# KiCad board MPPT Li-Ion CN3791 charger board_panel.kicad_pcb (continued)
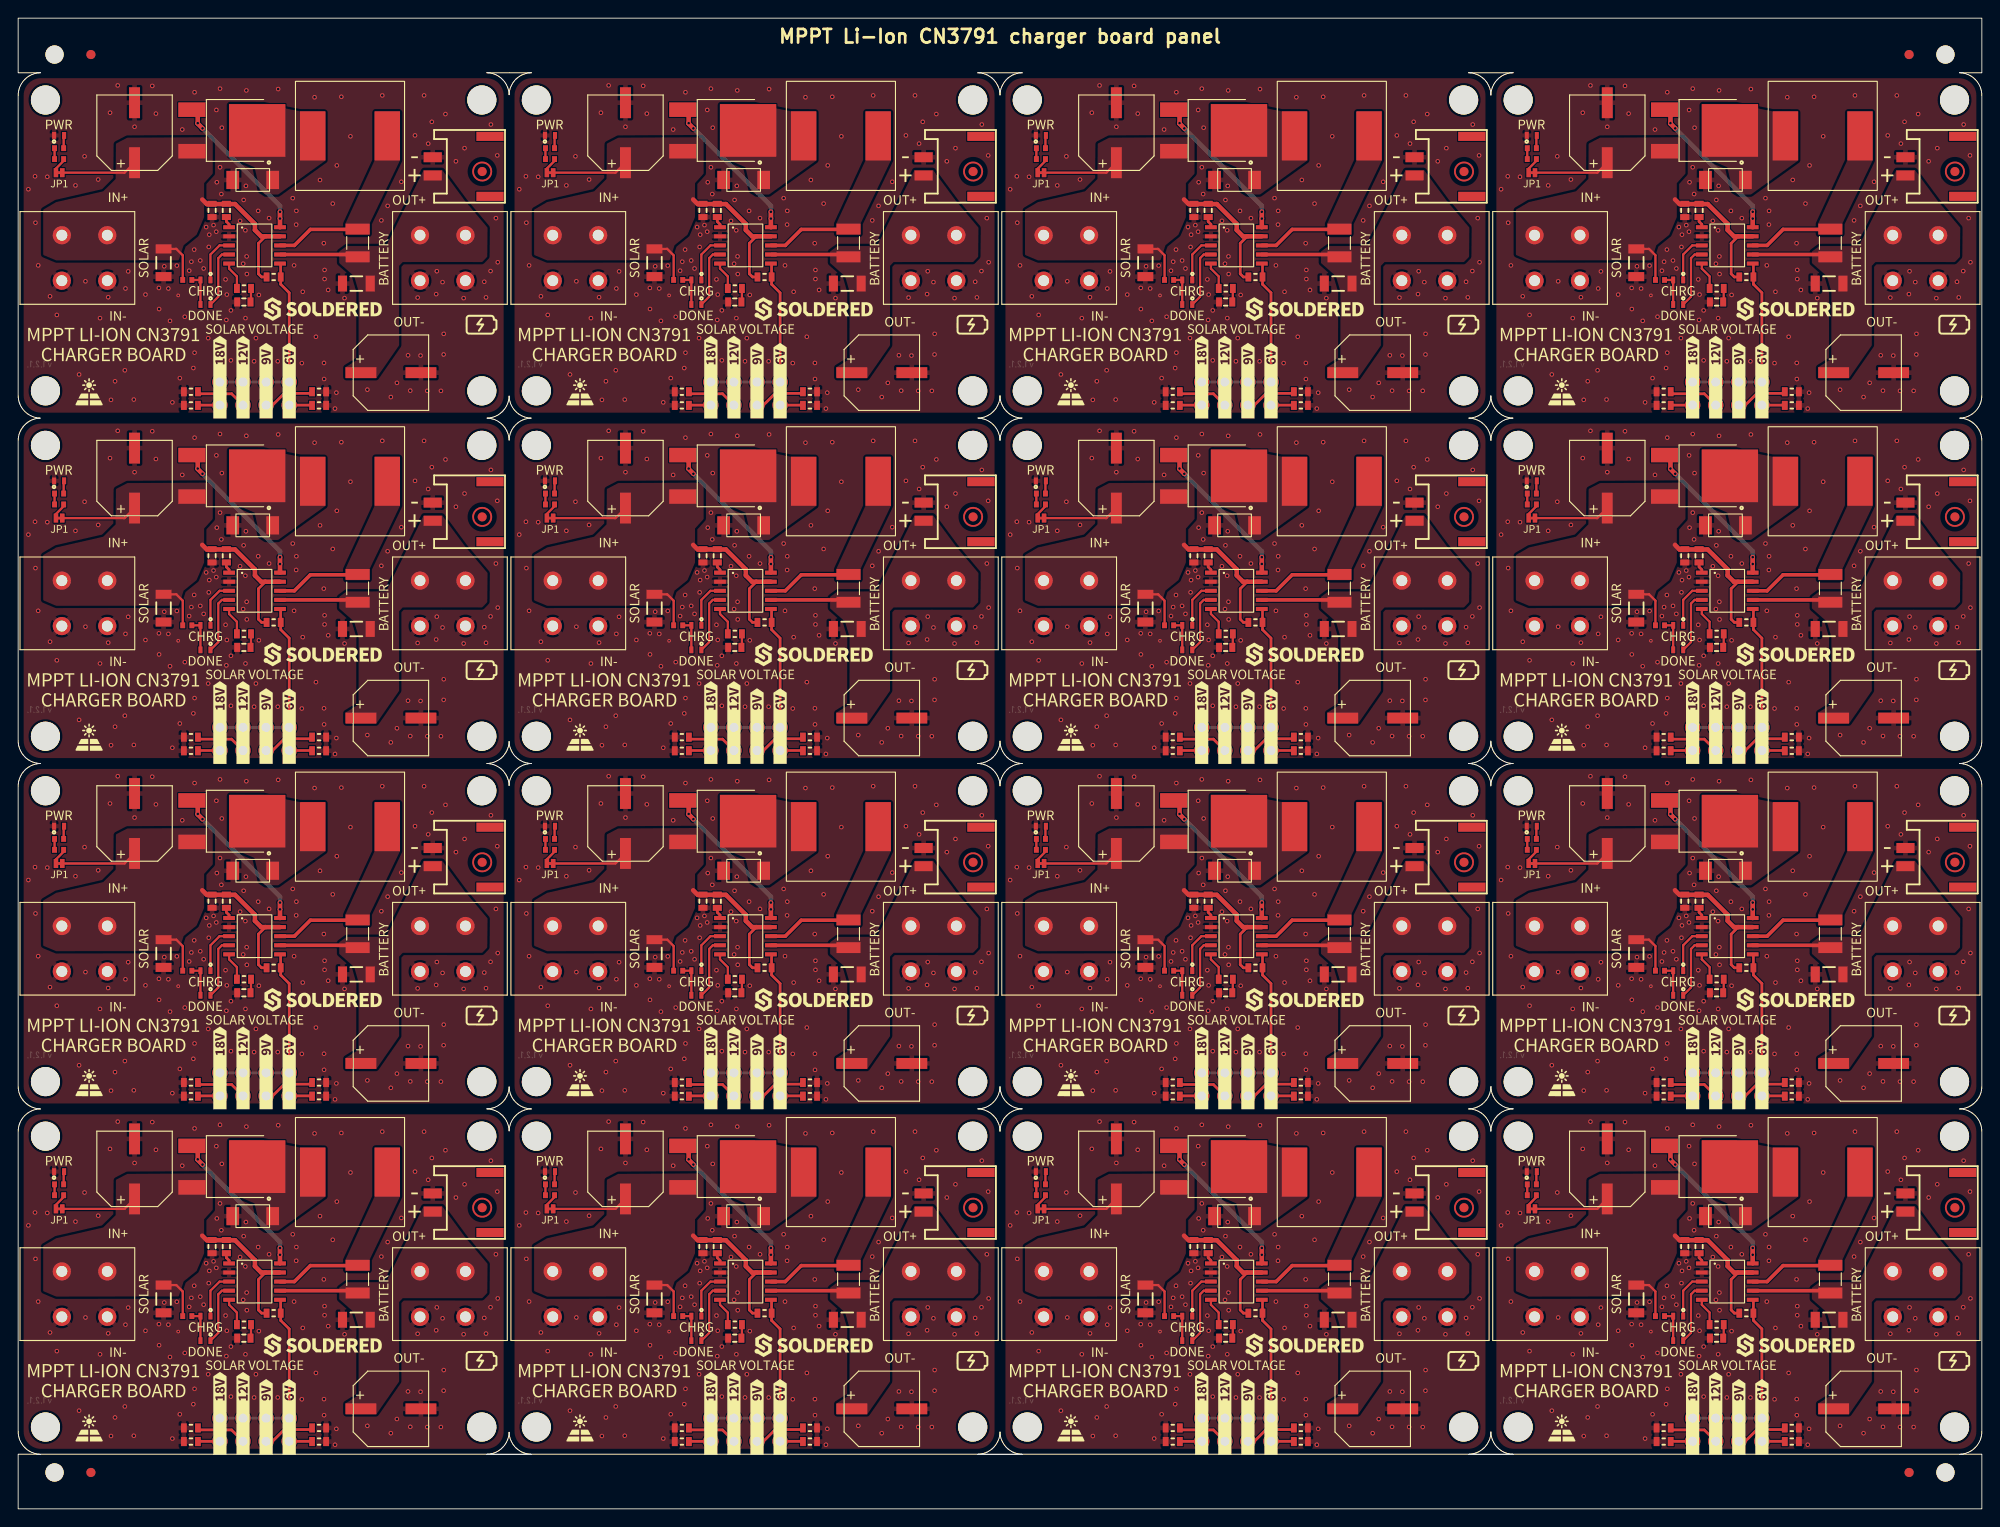
[diagram p0: board, top side]
## Routing (per net, layer and track width the routed paths; a pad name or vN(x,y) marks a point on that pad's centre or on a via; arc(x,y) is an arc through that point) (continued)
Board_1-Net-(C4-Pad1): length 1.2
  Top w0.3: C4#6.1 76.9,141.63 77.2,141.33 U1#8.1
Board_1-Net-(C5-Pad2): length 1.5
  Top w0.25: C5.2 79.61,132.83 R2#16.1
Board_1-Net-(D1-Pad1): length 3.7
  Top w0.254: D1#2.1 D2#5.1 R1#13.1
Board_1-Net-(D1-Pad2): length 7.3
  Top w0.25: D1#2.2 76.01,133.36 76.01,137.6 76.41,138 77.7,138
Board_1-Net-(D2-Pad2): length 5.8
  Top w0.25: D2#5.2 75.15,138 76.15,139 77.7,139
Board_1-Net-(D3-Pad1): length 18.5
  Top w0.5: U1#8.10 v1(82.8,141.95) v1(82.8,142.7) ; v1(74.28,151.88) 73.75,152.4 v1(73.75,152.45) 73.75,153.3 D3#14.1
  Bottom w0.5: v1(82.8,141.95) v1(82.8,142.7) 82.8,143.35 v1(74.28,151.88) 73.75,152.4 v1(73.75,152.45)
Board_1-Net-(D5-Pad1): length 1.4
  Top w0.254: D5#11.1 59,151.05 R9#6.2
Board_1-Net-(JP1-Pad2): length 1.9
  Top w0.254: R10#8.1 59,148.3 58.15,147.45 JP1#4.2
Board_1-Net-(K2-Pad1): length 2.4
  Top w0.3: K2#14.1 73.81,121.43 R3#14.2
Board_1-Net-(K2-Pad2): length 5.6
  Top w0.3: R4#2.2 74,122.68 77.48,122.68 K2#14.2
Board_1-Net-(K2-Pad3): length 5.7
  Top w0.3: R6#2.2 86.15,122.72 83.27,122.72 81.98,121.43 K2#14.3
Board_1-Net-(K2-Pad4): length 26.1
  Top w0.3: K2#14.4 86.3,121.43 R7#15.2 ; K2#14.5 83.81,133.79 82.88,134.73 R5#11.1 82.88,136.93 U1#8.6
  Bottom w0.3: K2#14.8 K2#14.5 K2#14.4
Board_1-Net-(L1-Pad2): length 9.3
  Top w0.3: 91.31,140.76 R8#15.1
  Top w0.4: 91.31,140.76 86.14,140.76 84.38,139 U1#8.8
Board_1-Net-(R2-Pad2): length 3.1
  Top w0.25: R2#16.2 78.06,135.59 77.2,136.45 U1#8.5
Board_1-Net-(R10-Pad2): length 1.2
  Top w0.254: R10#8.2 R9#6.1
Board_1-VCC: length 29.6
  Top w0.254: C1#10.2 71.4,138.62 72.1,137.91 R1#13.2 ; C3#12.1 65.7,147 JP1#4.1
  Top w0.3: R5#11.2 80.78,135.53 80.43,135.88 80.43,139.23 81.2,140
  Top w0.5: 74.25,144.05 74.75,143.55 77.85,143.55 80.04,141.36 80.04,140.69 80.73,140 U1#8.9
Board_2-BAT: length 8.6
  Top w0.4: U1#2.7 145.09,138 R8#2.2
Board_2-GND:
  vias: v1(109.12,145.18) v1(109.85,146.6) v1(109.9,141.5) v1(110.2,136.8) v1(111.2,146.55) v1(111.5,133.4) v1(112.25,131.35) v1(114.3,145.6) v1(114.7,124.8) v1(115.3,148.8) v1(115.4,135.05) v1(116.8,146.25) v1(117,131) v1(117.9,133.3) v1(118.1,153.6) v1(118.21,122.01) v1(118.65,124.05) v1(118.95,156.6) v1(119.73,125.26) v1(119.8,134.26) v1(120.1,136.14) v1(120.72,122.04) v1(120.8,152.05) v1(122,133.59) v1(122.75,156.55) v1(123.15,153.5) v1(123.48,134.32) v1(123.5,132) v1(124.07,136.7) v1(124.52,134.26) v1(124.7,130.7) v1(124.96,121.73) v1(125.45,136.78) v1(125.78,124.4) v1(126.05,151.75) v1(126.33,131.15) v1(126.81,136.22) v1(127.05,137.21) v1(127.27,125.51) v1(127.4,155.85) v1(127.36,138.54) v1(127.4,127.2) v1(128.03,137.34) v1(128.4,136.46) v1(128.68,141.02) v1(128.9,128.8) v1(129.02,140.18) v1(128.96,138.83) v1(129.49,141.23) v1(129.8,153.9) v1(129.79,140.51) v1(129.85,145.95) v1(130.2,156.25) v1(130.2,147.6) v1(130.4,151.95) v1(130.35,144.65) v1(130.81,135.26) v1(130.9,130.8) v1(130.95,133.59) v1(131.4,131.85) v1(131.4,126.35) v1(132.41,141.7) v1(132.8,144) v1(132.75,136.99) v1(132.99,140.66) v1(133,131) v1(133.1,156.05) v1(133.05,145.55) v1(133.13,137.79) v1(133.15,135.85) v1(133.95,126.25) v1(134.15,128.8) v1(134.4,142.8) v1(134.48,133.55) v1(135.6,142) v1(136.6,156.2) v1(136.55,126.25) v1(138.2,144.2) v1(138.35,136.8) v1(138.6,142.8) v1(138.58,141.29) v1(139.2,126.05) v1(139.3,133.9) v1(140.6,155.3) v1(140.75,128.95) v1(141.2,146.2) v1(141.62,139.24) v1(141.64,126.07) v1(141.7,136.3) v1(141.7,135.3) v1(141.65,124.3) v1(142.1,134.1) v1(142.6,143.6) v1(142.85,121.05) v1(143,122.8) v1(143.05,147.8) v1(143.55,155.35) v1(143.9,133.2) v1(144.55,151) v1(146.41,123.13) v1(147.95,141.75) v1(148.05,155.5) v1(148.64,143.35) v1(148.99,122.32) v1(149.66,123.88) v1(150.15,146) v1(150.88,126.91) v1(151.13,123.02) v1(151.65,151.1) v1(151.94,133.26) v1(152.26,126.88) v1(152.65,155.5) v1(153,123) v1(153.1,150.2) v1(153.5,152.6) v1(153.98,133.64) v1(154.05,136.16) v1(154.5,123) v1(154.68,134.96) v1(154.81,129.27) v1(154.8,127) v1(155,153.45) v1(156.15,148.25) v1(157,133.2) v1(157.1,149.7) v1(159.27,135) v1(159.46,133.28) v1(160,152.3) v1(159.96,136.18) v1(160.55,142) v1(160.7,148.9) v1(160.75,137.15) v2(125.6,133.5)
Board_2-Net-(C4-Pad1): length 1.2
  Top w0.3: C4#4.1 130.9,141.63 131.2,141.33 U1#2.1
Board_2-Net-(C5-Pad2): length 1.5
  Top w0.25: R2#5.1 133.61,132.83 C5#3.2
Board_2-Net-(D1-Pad1): length 3.7
  Top w0.254: R1#11.1 D2#7.1 D1#15.1
Board_2-Net-(D1-Pad2): length 7.3
  Top w0.25: 131.7,138 130.41,138 130.01,137.6 130.01,133.36 D1#15.2
Board_2-Net-(D2-Pad2): length 5.8
  Top w0.25: D2#7.2 129.15,138 130.15,139 131.7,139
Board_2-Net-(D3-Pad1): length 18.5
  Top w0.5: v1(136.8,142.7) v1(136.8,141.95) U1#2.10 ; v1(128.28,151.88) 127.75,152.4 v1(127.75,152.45) 127.75,153.3 D3.1
  Bottom w0.5: v1(136.8,141.95) v1(136.8,142.7) 136.8,143.35 v1(128.28,151.88) 127.75,152.4 v1(127.75,152.45)
Board_2-Net-(D5-Pad1): length 1.4
  Top w0.254: R9#12.2 113,151.05 D5#12.1
Board_2-Net-(JP1-Pad2): length 1.9
  Top w0.254: R10#12.1 113,148.3 112.15,147.45 JP1#11.2
Board_2-Net-(K2-Pad1): length 2.4
  Top w0.3: R3#16.2 127.81,121.43 K2#3.1
Board_2-Net-(K2-Pad2): length 5.6
  Top w0.3: R4#13.2 128,122.68 131.48,122.68 K2#3.2
Board_2-Net-(K2-Pad3): length 5.7
  Top w0.3: R6#7.2 140.15,122.72 137.27,122.72 135.98,121.43 K2#3.3
Board_2-Net-(K2-Pad4): length 26.1
  Top w0.3: K2#3.4 140.3,121.43 R7#4.2 ; K2#3.5 137.81,133.79 136.88,134.73 R5#3.1 136.88,136.93 U1#2.6
  Bottom w0.3: K2#3.8 K2#3.5 K2#3.4
Board_2-Net-(L1-Pad2): length 9.3
  Top w0.3: 145.31,140.76 R8#2.1
  Top w0.4: U1#2.8 138.38,139 140.14,140.76 145.31,140.76
Board_2-Net-(R2-Pad2): length 3.1
  Top w0.25: U1#2.5 131.2,136.45 132.06,135.59 R2#5.2
Board_2-Net-(R10-Pad2): length 1.2
  Top w0.254: R10#12.2 R9#12.1
Board_2-VCC: length 29.6
  Top w0.254: R1#11.2 126.1,137.91 125.4,138.62 C1.2 ; JP1#11.1 119.7,147 C3#14.1
  Top w0.3: R5#3.2 134.78,135.53 134.43,135.88 134.43,139.23 135.2,140
  Top w0.5: U1#2.9 134.73,140 134.04,140.69 134.04,141.36 131.85,143.55 128.75,143.55 128.25,144.05
Board_3-BAT: length 8.6
  Top w0.4: R8#12.2 199.09,138 U1#13.7
Board_3-GND:
  vias: v1(163.12,145.18) v1(163.85,146.6) v1(163.9,141.5) v1(164.2,136.8) v1(165.2,146.55) v1(165.5,133.4) v1(166.25,131.35) v1(168.3,145.6) v1(168.7,124.8) v1(169.3,148.8) v1(169.4,135.05) v1(170.8,146.25) v1(171,131) v1(171.9,133.3) v1(172.1,153.6) v1(172.21,122.01) v1(172.65,124.05) v1(172.95,156.6) v1(173.73,125.26) v1(173.8,134.26) v1(174.1,136.14) v1(174.72,122.04) v1(174.8,152.05) v1(176,133.59) v1(176.75,156.55) v1(177.15,153.5) v1(177.48,134.32) v1(177.5,132) v1(178.07,136.7) v1(178.52,134.26) v1(178.7,130.7) v1(178.96,121.73) v1(179.45,136.78) v1(179.78,124.4) v1(180.05,151.75) v1(180.33,131.15) v1(180.81,136.22) v1(181.05,137.21) v1(181.27,125.51) v1(181.4,155.85) v1(181.36,138.54) v1(181.4,127.2) v1(182.03,137.34) v1(182.4,136.46) v1(182.68,141.02) v1(182.9,128.8) v1(183.02,140.18) v1(182.96,138.83) v1(183.49,141.23) v1(183.8,153.9) v1(183.79,140.51) v1(183.85,145.95) v1(184.2,156.25) v1(184.2,147.6) v1(184.4,151.95) v1(184.35,144.65) v1(184.81,135.26) v1(184.9,130.8) v1(184.95,133.59) v1(185.4,131.85) v1(185.4,126.35) v1(186.41,141.7) v1(186.8,144) v1(186.75,136.99) v1(186.99,140.66) v1(187,131) v1(187.1,156.05) v1(187.05,145.55) v1(187.13,137.79) v1(187.15,135.85) v1(187.95,126.25) v1(188.15,128.8) v1(188.4,142.8) v1(188.48,133.55) v1(189.6,142) v1(190.6,156.2) v1(190.55,126.25) v1(192.2,144.2) v1(192.35,136.8) v1(192.6,142.8) v1(192.58,141.29) v1(193.2,126.05) v1(193.3,133.9) v1(194.6,155.3) v1(194.75,128.95) v1(195.2,146.2) v1(195.62,139.24) v1(195.64,126.07) v1(195.7,136.3) v1(195.7,135.3) v1(195.65,124.3) v1(196.1,134.1) v1(196.6,143.6) v1(196.85,121.05) v1(197,122.8) v1(197.05,147.8) v1(197.55,155.35) v1(197.9,133.2) v1(198.55,151) v1(200.41,123.13) v1(201.95,141.75) v1(202.05,155.5) v1(202.64,143.35) v1(202.99,122.32) v1(203.66,123.88) v1(204.15,146) v1(204.88,126.91) v1(205.13,123.02) v1(205.65,151.1) v1(205.94,133.26) v1(206.26,126.88) v1(206.65,155.5) v1(207,123) v1(207.1,150.2) v1(207.5,152.6) v1(207.98,133.64) v1(208.05,136.16) v1(208.5,123) v1(208.68,134.96) v1(208.81,129.27) v1(208.8,127) v1(209,153.45) v1(210.15,148.25) v1(211,133.2) v1(211.1,149.7) v1(213.27,135) v1(213.46,133.28) v1(214,152.3) v1(213.96,136.18) v1(214.55,142) v1(214.7,148.9) v1(214.75,137.15) v2(179.6,133.5)
Board_3-Net-(C4-Pad1): length 1.2
  Top w0.3: U1#13.1 185.2,141.33 184.9,141.63 C4#7.1
Board_3-Net-(C5-Pad2): length 1.5
  Top w0.25: R2#10.1 187.61,132.83 C5#5.2
Board_3-Net-(D1-Pad1): length 3.6
  Top w0.254: D1#12.1 D2#6.1 R1#14.1
Board_3-Net-(D1-Pad2): length 7.3
  Top w0.25: D1#12.2 184.01,133.36 184.01,137.6 184.41,138 185.7,138
Board_3-Net-(D2-Pad2): length 5.8
  Top w0.25: D2#6.2 183.15,138 184.15,139 185.7,139
Board_3-Net-(D3-Pad1): length 18.5
  Top w0.5: v1(182.28,151.88) 181.75,152.4 v1(181.75,152.45) 181.75,153.3 D3#5.1 ; v1(190.8,142.7) v1(190.8,141.95) U1#13.10
  Bottom w0.5: v1(190.8,141.95) v1(190.8,142.7) 190.8,143.35 v1(182.28,151.88) 181.75,152.4 v1(181.75,152.45)
Board_3-Net-(D5-Pad1): length 1.4
  Top w0.254: D5#15.1 167,151.05 R9#11.2
Board_3-Net-(JP1-Pad2): length 1.9
  Top w0.254: JP1#10.2 166.15,147.45 167,148.3 R10#14.1
Board_3-Net-(K2-Pad1): length 2.4
  Top w0.3: K2#16.1 181.81,121.43 R3#7.2
Board_3-Net-(K2-Pad2): length 5.6
  Top w0.3: K2#16.2 185.48,122.68 182,122.68 R4#14.2
Board_3-Net-(K2-Pad3): length 5.7
  Top w0.3: K2#16.3 189.98,121.43 191.27,122.72 194.15,122.72 R6#15.2
Board_3-Net-(K2-Pad4): length 26.1
  Top w0.3: R7#12.2 194.3,121.43 K2#16.4 ; K2#16.5 191.81,133.79 190.88,134.73 R5#16.1 190.88,136.93 U1#13.6
  Bottom w0.3: K2#16.4 K2#16.5 K2#16.8
Board_3-Net-(L1-Pad2): length 9.3
  Top w0.3: 199.31,140.76 R8#12.1
  Top w0.4: 199.31,140.76 194.14,140.76 192.38,139 U1#13.8
Board_3-Net-(R2-Pad2): length 3.1
  Top w0.25: U1#13.5 185.2,136.45 186.06,135.59 R2#10.2
Board_3-Net-(R10-Pad2): length 1.2
  Top w0.254: R10#14.2 R9#11.1
Board_3-VCC: length 29.6
  Top w0.254: R1#14.2 180.1,137.91 179.4,138.62 C1#11.2 ; JP1#10.1 173.7,147 C3#7.1
  Top w0.3: 189.2,140 188.43,139.23 188.43,135.88 188.78,135.53 R5#16.2
  Top w0.5: 182.25,144.05 182.75,143.55 185.85,143.55 188.04,141.36 188.04,140.69 188.73,140 U1#13.9
Board_4-BAT: length 8.6
  Top w0.4: U1#9.7 37.09,100 R8#3.2
Board_4-GND:
  vias: v1(1.12,107.18) v1(1.85,108.6) v1(1.9,103.5) v1(2.2,98.8) v1(3.2,108.55) v1(3.5,95.4) v1(4.25,93.35) v1(6.3,107.6) v1(6.7,86.8) v1(7.3,110.8) v1(7.4,97.05) v1(8.8,108.25) v1(9,93) v1(9.9,95.3) v1(10.1,115.6) v1(10.21,84.01) v1(10.65,86.05) v1(10.95,118.6) v1(11.73,87.26) v1(11.8,96.26) v1(12.1,98.14) v1(12.72,84.04) v1(12.8,114.05) v1(14,95.59) v1(14.75,118.55) v1(15.15,115.5) v1(15.48,96.32) v1(15.5,94) v1(16.07,98.7) v1(16.52,96.26) v1(16.7,92.7) v1(16.96,83.73) v1(17.45,98.78) v1(17.78,86.4) v1(18.05,113.75) v1(18.33,93.15) v1(18.81,98.22) v1(19.05,99.21) v1(19.27,87.51) v1(19.4,117.85) v1(19.36,100.54) v1(19.4,89.2) v1(20.03,99.34) v1(20.4,98.46) v1(20.68,103.02) v1(20.9,90.8) v1(21.02,102.18) v1(20.96,100.83) v1(21.49,103.23) v1(21.8,115.9) v1(21.85,107.95) v1(21.79,102.51) v1(22.2,118.25) v1(22.2,109.6) v1(22.35,106.65) v1(22.4,113.95) v1(22.81,97.26) v1(22.95,95.59) v1(22.9,92.8) v1(23.4,93.85) v1(23.4,88.35) v1(24.41,103.7) v1(24.75,98.99) v1(24.8,106) v1(25.05,107.55) v1(24.99,102.66) v1(25,93) v1(25.1,118.05) v1(25.13,99.79) v1(25.15,97.85) v1(25.95,88.25) v1(26.15,90.8) v1(26.4,104.8) v1(26.48,95.55) v1(27.6,104) v1(28.55,88.25) v1(28.6,118.2) v1(30.2,106.2) v1(30.35,98.8) v1(30.6,104.8) v1(30.58,103.29) v1(31.2,88.05) v1(31.3,95.9) v1(32.6,117.3) v1(32.75,90.95) v1(33.2,108.2) v1(33.62,101.24) v1(33.64,88.07) v1(33.65,86.3) v1(33.7,98.3) v1(33.7,97.3) v1(34.1,96.1) v1(34.6,105.6) v1(34.85,83.05) v1(35.05,109.8) v1(35,84.8) v1(35.55,117.35) v1(35.9,95.2) v1(36.55,113) v1(38.41,85.13) v1(39.95,103.75) v1(40.05,117.5) v1(40.64,105.35) v1(40.99,84.32) v1(41.66,85.88) v1(42.15,108) v1(42.88,88.91) v1(43.13,85.02) v1(43.65,113.1) v1(43.94,95.26) v1(44.26,88.88) v1(44.65,117.5) v1(45,85) v1(45.1,112.2) v1(45.5,114.6) v1(46.05,98.16) v1(45.98,95.64) v1(46.5,85) v1(46.68,96.96) v1(46.81,91.27) v1(46.8,89) v1(47,115.45) v1(48.15,110.25) v1(49,95.2) v1(49.1,111.7) v1(51.27,97) v1(51.46,95.28) v1(52,114.3) v1(51.96,98.18) v1(52.55,104) v1(52.7,110.9) v1(52.75,99.15) v2(17.6,95.5)
Board_4-Net-(C4-Pad1): length 1.2
  Top w0.3: C4#12.1 22.9,103.63 23.2,103.33 U1#9.1
Board_4-Net-(C5-Pad2): length 1.5
  Top w0.25: R2#4.1 25.61,94.83 C5#16.2
Board_4-Net-(D1-Pad1): length 3.6
  Top w0.254: D1#6.1 D2#15.1 R1#7.1
Board_4-Net-(D1-Pad2): length 7.3
  Top w0.25: 23.7,100 22.41,100 22.01,99.6 22.01,95.36 D1#6.2
Board_4-Net-(D2-Pad2): length 5.8
  Top w0.25: D2#15.2 21.15,100 22.15,101 23.7,101
Board_4-Net-(D3-Pad1): length 18.5
  Top w0.5: v1(28.8,104.7) v1(28.8,103.95) U1#9.10 ; D3#4.1 19.75,115.3 v1(19.75,114.45) 19.75,114.4 v1(20.28,113.88)
  Bottom w0.5: v1(19.75,114.45) 19.75,114.4 v1(20.28,113.88) 28.8,105.35 v1(28.8,104.7) v1(28.8,103.95)
Board_4-Net-(D5-Pad1): length 1.4
  Top w0.254: R9#4.2 5,113.05 D5.1
Board_4-Net-(JP1-Pad2): length 1.9
  Top w0.254: JP1#16.2 4.15,109.45 5,110.3 R10#3.1
Board_4-Net-(K2-Pad1): length 2.4
  Top w0.3: K2#12.1 19.81,83.43 R3#15.2
Board_4-Net-(K2-Pad2): length 5.6
  Top w0.3: R4#10.2 20,84.68 23.48,84.68 K2#12.2
Board_4-Net-(K2-Pad3): length 5.7
  Top w0.3: R6#8.2 32.15,84.72 29.27,84.72 27.98,83.43 K2#12.3
Board_4-Net-(K2-Pad4): length 26.1
  Top w0.3: K2#12.4 32.3,83.43 R7#9.2 ; K2#12.5 29.81,95.79 28.88,96.73 R5#13.1 28.88,98.93 U1#9.6
  Bottom w0.3: K2#12.4 K2#12.5 K2#12.8
Board_4-Net-(L1-Pad2): length 9.3
  Top w0.3: 37.31,102.76 R8#3.1
  Top w0.4: 37.31,102.76 32.14,102.76 30.38,101 U1#9.8
Board_4-Net-(R2-Pad2): length 3.1
  Top w0.25: R2#4.2 24.06,97.59 23.2,98.45 U1#9.5
Board_4-Net-(R10-Pad2): length 1.2
  Top w0.254: R10#3.2 R9#4.1
Board_4-VCC: length 29.6
  Top w0.254: C1#13.2 17.4,100.62 18.1,99.91 R1#7.2 ; C3#8.1 11.7,109 JP1#16.1
  Top w0.3: 27.2,102 26.43,101.23 26.43,97.88 26.78,97.53 R5#13.2
  Top w0.5: U1#9.9 26.73,102 26.04,102.69 26.04,103.36 23.85,105.55 20.75,105.55 20.25,106.05
Board_5-BAT: length 8.6
  Top w0.4: R8#8.2 91.09,100 U1#4.7
Board_5-GND:
  vias: v1(55.12,107.18) v1(55.85,108.6) v1(55.9,103.5) v1(56.2,98.8) v1(57.2,108.55) v1(57.5,95.4) v1(58.25,93.35) v1(60.3,107.6) v1(60.7,86.8) v1(61.3,110.8) v1(61.4,97.05) v1(62.8,108.25) v1(63,93) v1(63.9,95.3) v1(64.1,115.6) v1(64.21,84.01) v1(64.65,86.05) v1(64.95,118.6) v1(65.73,87.26) v1(65.8,96.26) v1(66.1,98.14) v1(66.72,84.04) v1(66.8,114.05) v1(68,95.59) v1(68.75,118.55) v1(69.15,115.5) v1(69.48,96.32) v1(69.5,94) v1(70.07,98.7) v1(70.52,96.26) v1(70.7,92.7) v1(70.96,83.73) v1(71.45,98.78) v1(71.78,86.4) v1(72.05,113.75) v1(72.33,93.15) v1(72.81,98.22) v1(73.05,99.21) v1(73.27,87.51) v1(73.4,117.85) v1(73.36,100.54) v1(73.4,89.2) v1(74.03,99.34) v1(74.4,98.46) v1(74.68,103.02) v1(74.9,90.8) v1(75.02,102.18) v1(74.96,100.83) v1(75.49,103.23) v1(75.8,115.9) v1(75.79,102.51) v1(75.85,107.95) v1(76.2,118.25) v1(76.2,109.6) v1(76.4,113.95) v1(76.35,106.65) v1(76.81,97.26) v1(76.9,92.8) v1(76.95,95.59) v1(77.4,93.85) v1(77.4,88.35) v1(78.41,103.7) v1(78.8,106) v1(78.75,98.99) v1(78.99,102.66) v1(79,93) v1(79.1,118.05) v1(79.05,107.55) v1(79.13,99.79) v1(79.15,97.85) v1(79.95,88.25) v1(80.15,90.8) v1(80.4,104.8) v1(80.48,95.55) v1(81.6,104) v1(82.6,118.2) v1(82.55,88.25) v1(84.2,106.2) v1(84.35,98.8) v1(84.6,104.8) v1(84.58,103.29) v1(85.2,88.05) v1(85.3,95.9) v1(86.6,117.3) v1(86.75,90.95) v1(87.2,108.2) v1(87.62,101.24) v1(87.64,88.07) v1(87.7,98.3) v1(87.7,97.3) v1(87.65,86.3) v1(88.1,96.1) v1(88.6,105.6) v1(88.85,83.05) v1(89,84.8) v1(89.05,109.8) v1(89.55,117.35) v1(89.9,95.2) v1(90.55,113) v1(92.41,85.13) v1(93.95,103.75) v1(94.05,117.5) v1(94.64,105.35) v1(94.99,84.32) v1(95.66,85.88) v1(96.15,108) v1(96.88,88.91) v1(97.13,85.02) v1(97.65,113.1) v1(97.94,95.26) v1(98.26,88.88) v1(98.65,117.5) v1(99,85) v1(99.1,112.2) v1(99.5,114.6) v1(99.98,95.64) v1(100.05,98.16) v1(100.5,85) v1(100.68,96.96) v1(100.81,91.27) v1(100.8,89) v1(101,115.45) v1(102.15,110.25) v1(103,95.2) v1(103.1,111.7) v1(105.27,97) v1(105.46,95.28) v1(106,114.3) v1(105.96,98.18) v1(106.55,104) v1(106.7,110.9) v1(106.75,99.15) v2(71.6,95.5)
Board_5-Net-(C4-Pad1): length 1.2
  Top w0.3: C4#9.1 76.9,103.63 77.2,103.33 U1#4.1
Board_5-Net-(C5-Pad2): length 1.5
  Top w0.25: C5#15.2 79.61,94.83 R2#7.1
Board_5-Net-(D1-Pad1): length 3.7
  Top w0.254: D1#4.1 D2#13.1 R1#4.1
Board_5-Net-(D1-Pad2): length 7.3
  Top w0.25: 77.7,100 76.41,100 76.01,99.6 76.01,95.36 D1#4.2
Board_5-Net-(D2-Pad2): length 5.8
  Top w0.25: D2#13.2 75.15,100 76.15,101 77.7,101
Board_5-Net-(D3-Pad1): length 18.5
  Top w0.5: v1(74.28,113.88) 73.75,114.4 v1(73.75,114.45) 73.75,115.3 D3#15.1 ; v1(82.8,104.7) v1(82.8,103.95) U1#4.10
  Bottom w0.5: v1(73.75,114.45) 73.75,114.4 v1(74.28,113.88) 82.8,105.35 v1(82.8,104.7) v1(82.8,103.95)
Board_5-Net-(D5-Pad1): length 1.4
  Top w0.254: R9#16.2 59,113.05 D5#10.1
Board_5-Net-(JP1-Pad2): length 1.9
  Top w0.254: JP1#14.2 58.15,109.45 59,110.3 R10#6.1
Board_5-Net-(K2-Pad1): length 2.4
  Top w0.3: K2#7.1 73.81,83.43 R3#4.2
Board_5-Net-(K2-Pad2): length 5.6
  Top w0.3: K2#7.2 77.48,84.68 74,84.68 R4#7.2
Board_5-Net-(K2-Pad3): length 5.7
  Top w0.3: R6#13.2 86.15,84.72 83.27,84.72 81.98,83.43 K2#7.3
Board_5-Net-(K2-Pad4): length 26.1
  Top w0.3: K2#7.5 83.81,95.79 82.88,96.73 R5#15.1 82.88,98.93 U1#4.6 ; R7#3.2 86.3,83.43 K2#7.4
  Bottom w0.3: K2#7.8 K2#7.5 K2#7.4
Board_5-Net-(L1-Pad2): length 9.3
  Top w0.3: 91.31,102.76 R8#8.1
  Top w0.4: 91.31,102.76 86.14,102.76 84.38,101 U1#4.8
Board_5-Net-(R2-Pad2): length 3.1
  Top w0.25: U1#4.5 77.2,98.45 78.06,97.59 R2#7.2
Board_5-Net-(R10-Pad2): length 1.2
  Top w0.254: R10#6.2 R9#16.1
Board_5-VCC: length 29.6
  Top w0.254: C1#16.2 71.4,100.62 72.1,99.91 R1#4.2 ; C3#13.1 65.7,109 JP1#14.1
  Top w0.3: 81.2,102 80.43,101.23 80.43,97.88 80.78,97.53 R5#15.2
  Top w0.5: 74.25,106.05 74.75,105.55 77.85,105.55 80.04,103.36 80.04,102.69 80.73,102 U1#4.9
Board_6-BAT: length 8.6
  Top w0.4: U1.7 145.09,100 R8#4.2
Board_6-GND:
  vias: v1(109.12,107.18) v1(109.85,108.6) v1(109.9,103.5) v1(110.2,98.8) v1(111.2,108.55) v1(111.5,95.4) v1(112.25,93.35) v1(114.3,107.6) v1(114.7,86.8) v1(115.3,110.8) v1(115.4,97.05) v1(116.8,108.25) v1(117,93) v1(117.9,95.3) v1(118.1,115.6) v1(118.21,84.01) v1(118.65,86.05) v1(118.95,118.6) v1(119.73,87.26) v1(119.8,96.26) v1(120.1,98.14) v1(120.72,84.04) v1(120.8,114.05) v1(122,95.59) v1(122.75,118.55) v1(123.15,115.5) v1(123.48,96.32) v1(123.5,94) v1(124.07,98.7) v1(124.52,96.26) v1(124.7,92.7) v1(124.96,83.73) v1(125.45,98.78) v1(125.78,86.4) v1(126.05,113.75) v1(126.33,93.15) v1(126.81,98.22) v1(127.05,99.21) v1(127.27,87.51) v1(127.4,117.85) v1(127.36,100.54) v1(127.4,89.2) v1(128.03,99.34) v1(128.4,98.46) v1(128.68,103.02) v1(128.9,90.8) v1(129.02,102.18) v1(128.96,100.83) v1(129.49,103.23) v1(129.8,115.9) v1(129.79,102.51) v1(129.85,107.95) v1(130.2,118.25) v1(130.2,109.6) v1(130.4,113.95) v1(130.35,106.65) v1(130.81,97.26) v1(130.9,92.8) v1(130.95,95.59) v1(131.4,93.85) v1(131.4,88.35) v1(132.41,103.7) v1(132.8,106) v1(132.75,98.99) v1(132.99,102.66) v1(133,93) v1(133.1,118.05) v1(133.05,107.55) v1(133.13,99.79) v1(133.15,97.85) v1(133.95,88.25) v1(134.15,90.8) v1(134.4,104.8) v1(134.48,95.55) v1(135.6,104) v1(136.6,118.2) v1(136.55,88.25) v1(138.2,106.2) v1(138.35,98.8) v1(138.6,104.8) v1(138.58,103.29) v1(139.2,88.05) v1(139.3,95.9) v1(140.6,117.3) v1(140.75,90.95) v1(141.2,108.2) v1(141.62,101.24) v1(141.64,88.07) v1(141.7,98.3) v1(141.7,97.3) v1(141.65,86.3) v1(142.1,96.1) v1(142.6,105.6) v1(142.85,83.05) v1(143,84.8) v1(143.05,109.8) v1(143.55,117.35) v1(143.9,95.2) v1(144.55,113) v1(146.41,85.13) v1(147.95,103.75) v1(148.05,117.5) v1(148.64,105.35) v1(148.99,84.32) v1(149.66,85.88) v1(150.15,108) v1(150.88,88.91) v1(151.13,85.02) v1(151.65,113.1) v1(151.94,95.26) v1(152.26,88.88) v1(152.65,117.5) v1(153,85) v1(153.1,112.2) v1(153.5,114.6) v1(153.98,95.64) v1(154.05,98.16) v1(154.5,85) v1(154.68,96.96) v1(154.81,91.27) v1(154.8,89) v1(155,115.45) v1(156.15,110.25) v1(157,95.2) v1(157.1,111.7) v1(159.27,97) v1(159.46,95.28) v1(160,114.3) v1(159.96,98.18) v1(160.55,104) v1(160.7,110.9) v1(160.75,99.15) v2(125.6,95.5)
Board_6-Net-(C4-Pad1): length 1.2
  Top w0.3: U1.1 131.2,103.33 130.9,103.63 C4#11.1
Board_6-Net-(C5-Pad2): length 1.5
  Top w0.25: R2.1 133.61,94.83 C5#14.2
Board_6-Net-(D1-Pad1): length 3.7
  Top w0.254: D1#10.1 D2#16.1 R1#2.1
Board_6-Net-(D1-Pad2): length 7.3
  Top w0.25: 131.7,100 130.41,100 130.01,99.6 130.01,95.36 D1#10.2
Board_6-Net-(D2-Pad2): length 5.8
  Top w0.25: D2#16.2 129.15,100 130.15,101 131.7,101
Board_6-Net-(D3-Pad1): length 18.5
  Top w0.5: D3#13.1 127.75,115.3 v1(127.75,114.45) 127.75,114.4 v1(128.28,113.88) ; U1.10 v1(136.8,103.95) v1(136.8,104.7)
  Bottom w0.5: v1(127.75,114.45) 127.75,114.4 v1(128.28,113.88) 136.8,105.35 v1(136.8,104.7) v1(136.8,103.95)
Board_6-Net-(D5-Pad1): length 1.4
  Top w0.254: D5#16.1 113,113.05 R9#13.2
Board_6-Net-(JP1-Pad2): length 1.9
  Top w0.254: R10#15.1 113,110.3 112.15,109.45 JP1#2.2
Board_6-Net-(K2-Pad1): length 2.4
  Top w0.3: R3#3.2 127.81,83.43 K2#15.1
Board_6-Net-(K2-Pad2): length 5.6
  Top w0.3: K2#15.2 131.48,84.68 128,84.68 R4#9.2
Board_6-Net-(K2-Pad3): length 5.7
  Top w0.3: R6#14.2 140.15,84.72 137.27,84.72 135.98,83.43 K2#15.3
Board_6-Net-(K2-Pad4): length 26.1
  Top w0.3: K2#15.5 137.81,95.79 136.88,96.73 R5#7.1 136.88,98.93 U1.6 ; K2#15.4 140.3,83.43 R7.2
  Bottom w0.3: K2#15.4 K2#15.5 K2#15.8
Board_6-Net-(L1-Pad2): length 9.3
  Top w0.3: 145.31,102.76 R8#4.1
  Top w0.4: U1.8 138.38,101 140.14,102.76 145.31,102.76
Board_6-Net-(R2-Pad2): length 3.1
  Top w0.25: R2.2 132.06,97.59 131.2,98.45 U1.5
Board_6-Net-(R10-Pad2): length 1.2
  Top w0.254: R10#15.2 R9#13.1
Board_6-VCC: length 29.6
  Top w0.254: C1#15.2 125.4,100.62 126.1,99.91 R1#2.2 ; C3#3.1 119.7,109 JP1#2.1
  Top w0.3: 135.2,102 134.43,101.23 134.43,97.88 134.78,97.53 R5#7.2
  Top w0.5: U1.9 134.73,102 134.04,102.69 134.04,103.36 131.85,105.55 128.75,105.55 128.25,106.05
Board_7-BAT: length 8.6
  Top w0.4: R8#10.2 199.09,100 U1#5.7
Board_7-GND:
  vias: v1(163.12,107.18) v1(163.85,108.6) v1(163.9,103.5) v1(164.2,98.8) v1(165.2,108.55) v1(165.5,95.4) v1(166.25,93.35) v1(168.3,107.6) v1(168.7,86.8) v1(169.3,110.8) v1(169.4,97.05) v1(170.8,108.25) v1(171,93) v1(171.9,95.3) v1(172.1,115.6) v1(172.21,84.01) v1(172.65,86.05) v1(172.95,118.6) v1(173.73,87.26) v1(173.8,96.26) v1(174.1,98.14) v1(174.72,84.04) v1(174.8,114.05) v1(176,95.59) v1(176.75,118.55) v1(177.15,115.5) v1(177.48,96.32) v1(177.5,94) v1(178.07,98.7) v1(178.52,96.26) v1(178.7,92.7) v1(178.96,83.73) v1(179.45,98.78) v1(179.78,86.4) v1(180.05,113.75) v1(180.33,93.15) v1(180.81,98.22) v1(181.05,99.21) v1(181.27,87.51) v1(181.4,117.85) v1(181.36,100.54) v1(181.4,89.2) v1(182.03,99.34) v1(182.4,98.46) v1(182.68,103.02) v1(182.9,90.8) v1(183.02,102.18) v1(182.96,100.83) v1(183.49,103.23) v1(183.8,115.9) v1(183.79,102.51) v1(183.85,107.95) v1(184.2,118.25) v1(184.2,109.6) v1(184.4,113.95) v1(184.35,106.65) v1(184.81,97.26) v1(184.9,92.8) v1(184.95,95.59) v1(185.4,93.85) v1(185.4,88.35) v1(186.41,103.7) v1(186.8,106) v1(186.75,98.99) v1(186.99,102.66) v1(187,93) v1(187.1,118.05) v1(187.05,107.55) v1(187.13,99.79) v1(187.15,97.85) v1(187.95,88.25) v1(188.15,90.8) v1(188.4,104.8) v1(188.48,95.55) v1(189.6,104) v1(190.6,118.2) v1(190.55,88.25) v1(192.2,106.2) v1(192.35,98.8) v1(192.6,104.8) v1(192.58,103.29) v1(193.2,88.05) v1(193.3,95.9) v1(194.6,117.3) v1(194.75,90.95) v1(195.2,108.2) v1(195.62,101.24) v1(195.64,88.07) v1(195.7,98.3) v1(195.7,97.3) v1(195.65,86.3) v1(196.1,96.1) v1(196.6,105.6) v1(196.85,83.05) v1(197,84.8) v1(197.05,109.8) v1(197.55,117.35) v1(197.9,95.2) v1(198.55,113) v1(200.41,85.13) v1(201.95,103.75) v1(202.05,117.5) v1(202.64,105.35) v1(202.99,84.32) v1(203.66,85.88) v1(204.15,108) v1(204.88,88.91) v1(205.13,85.02) v1(205.65,113.1) v1(205.94,95.26) v1(206.26,88.88) v1(206.65,117.5) v1(207,85) v1(207.1,112.2) v1(207.5,114.6) v1(207.98,95.64) v1(208.05,98.16) v1(208.5,85) v1(208.68,96.96) v1(208.81,91.27) v1(208.8,89) v1(209,115.45) v1(210.15,110.25) v1(211,95.2) v1(211.1,111.7) v1(213.27,97) v1(213.46,95.28) v1(214,114.3) v1(213.96,98.18) v1(214.55,104) v1(214.7,110.9) v1(214.75,99.15) v2(179.6,95.5)
Board_7-Net-(C4-Pad1): length 1.2
  Top w0.3: C4#14.1 184.9,103.63 185.2,103.33 U1#5.1
Board_7-Net-(C5-Pad2): length 1.5
  Top w0.25: R2#14.1 187.61,94.83 C5#11.2
Board_7-Net-(D1-Pad1): length 3.6
  Top w0.254: D1#16.1 D2#9.1 R1#10.1
